# Altium PCB Computer_Board.PcbDoc (part 3 of 5) (continued)
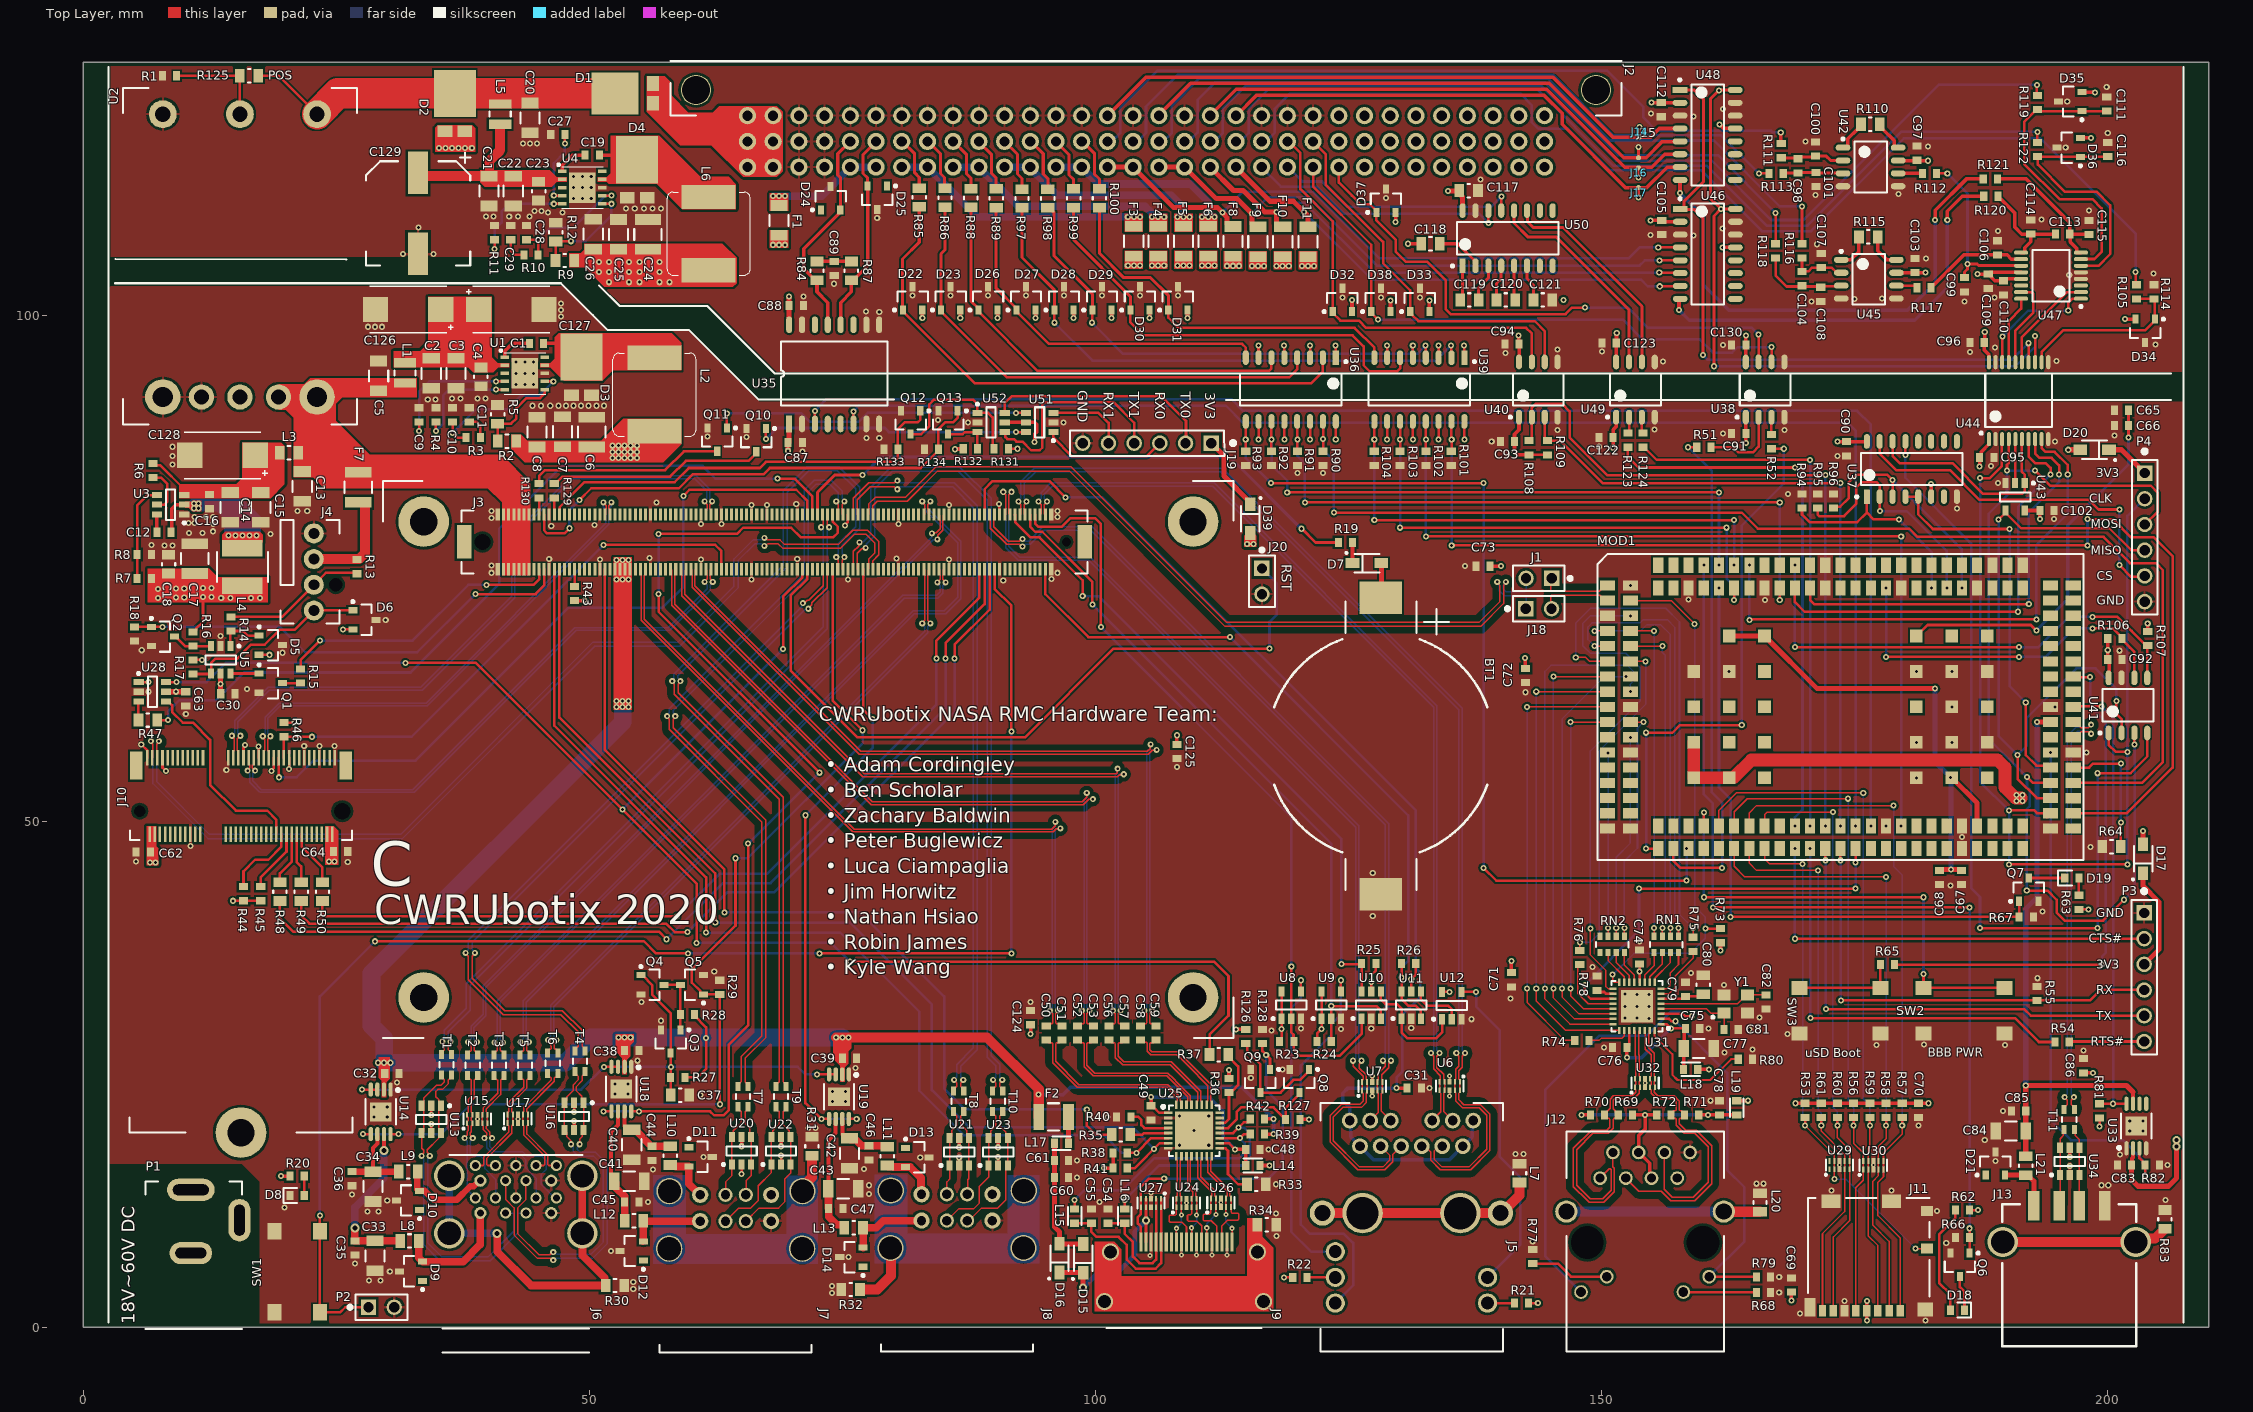
[diagram p0: Top Layer view]
## Nets (pads, with @x,y where several pads share a name; then routed paths per layer and width w, separated by ;. In a path a pad name is that pad's centre, name@x,y a point inside that pad or via, vN(x,y) a via of type N, cw(c..) or ccw(c..) an arc to the next point about the centre after c; other vN are vias at no path point) (continued)
  Top Layer w0.14: U25.15@111,16.9 111,16.61 111.11,16.5 111.11,15.34 111.651,14.799 113.01,13.44 113.01,13.029 112.9,12.919 U26.7@112.9,12.736
  Top Layer w0.15: v4(112.9,11.15) U26.4@112.9,11.9 U26.7@112.9,12.736 ; J9.1@113.5,8.45 v4(113.5,9.8)
  Bottom Layer w0.15: v4(112.9,11.15) 112.9,10.4 v4(113.5,9.8)
HDMI_DAT2_N: C59.2 U25.25 | length 10.9
  Top Layer w0.14: C59.2@106,28.4 105.721,28.121 105.462,28.121 105.38,28.039 105.38,27.42 105.57,27.23 108.166,27.23 108.906,26.49 109.448,25.948 111.39,24.006 111.39,22.4 111.5,22.29 U25.25@111.5,22
HDMI_DAT2_P: C58.2 U25.26 | length 10.9
  Top Layer w0.14: C58.2@104.45,28.4 104.699,28.151 105.018,28.151 105.1,28.069 105.1,27.304 105.454,26.95 108.05,26.95 108.626,26.374 109.151,25.849 111.11,23.89 111.11,22.4 111,22.29 U25.26@111,22
HDMI_HPD_EXT: J9.19 Q9.1 R128.1 U27.5 U27.6 | length 35
  Top Layer w0.25: J9.19@104.5,8.45 104.5,9.95 104.2,10.25 104.2,10.9 104.5,11.2 U27.6@104.5,11.882 U27.5@104.5,12.718 104.5,13.9 105.3,14.7 v1(106.8,14.7) ; R128.1@116.5,28.05 116.5,27.3 v1(116.875,26.925) 117.25,26.55 Q9.1@117.25,25.5
  Bottom Layer w0.25: v1(106.8,14.7) 117.1,14.7 118.5,16.1 118.5,21.85 116.875,23.475 v1(116.875,26.925)
HDMI_HPD_INT: R35.1 U25.5 | length 3.8
  Top Layer w0.25: R35.1@103.45,19.05 104.65,19.05 104.8,19.2 U25.5@107.2,19.2
HDMI_HPD_PROT: Q8.3 R127.2 U25.21 | length 11.5
  Top Layer w0.25: U25.21@112.3,19.7 113.1,19.7 113.95,20.55 113.95,21.3 114.4,21.75 117.6,21.75 R127.2@118.8,20.55 118.8,21.7 120.15,23.05 Q8.3@120.15,23.2
HDMI_SCL_EXT: L15.2 R39.1 U25.19 | length 24.4
  Top Layer w0.25: L15.2@97.95,11.7 v1(97.95,12.6) ; U25.19@112.3,18.7 v1(114.3,18.7) 114.7,19.1 R39.1@115.3,19.1
  Bottom Layer w0.25: v1(97.95,12.6) 98.925,13.575 102.675,13.575 105.8,16.7 114.2,16.7 114.75,17.25 114.75,18.195 114.3,18.645 v1(114.3,18.7)
HDMI_SCL_FILT: C55.1 J9.15 L15.1 U27.1 U27.10 | length 18.4
  Top Layer w0.25: L15.1@97.95,10.3 C55.1@99.6,10.3 99.6,9.45 100.1,8.95 102.3,8.95 103.1,8.15 103.1,6.7 104,5.8 105.95,5.8 106.5,6.35 J9.15@106.5,8.45 U27.10@106.5,11.882 U27.1@106.5,12.718
HDMI_SDA_EXT: L16.2 R42.1 U25.20 | length 22.4
  Top Layer w0.25: L16.2@102.9,11.7 v1(102.9,12.6) ; U25.20@112.3,19.2 113.6,19.2 v1(114.137,19.737) 114.675,20.275 115.075,20.275 115.3,20.5 R42.1@115.3,20.6
  Bottom Layer w0.25: v1(102.9,12.6) 106.3,16 114.5,16 115.25,16.75 115.25,19.15 114.663,19.737 v1(114.137,19.737)
HDMI_SDA_FILT: C54.1 J9.16 L16.1 U27.2 U27.9 | length 14
  Top Layer w0.25: C54.1@101.25,10.3 L16.1@102.9,10.3 102.9,9.25 103.7,8.45 103.7,7 104.35,6.35 105.65,6.35 106,6.7 J9.16@106,8.45 U27.9@106,11.882 U27.2@106,12.718
HDMIX_CTRLCLK: J3.B98 R41.2 U25.7 | length 103.9
  Top Layer w0.25: J3.B98@47.05,74.9 47.05,60.25 62.45,44.85 v1(62.45,40) ; R41.2@103.15,15.75 103.9,15.75 106.35,18.2 U25.7@107.2,18.2
  Bottom Layer w0.25: v1(62.45,40) 75.75,40 83.85,31.9 83.85,23.45 87.5,19.8 103.65,19.8 v1(105.8,17.65)
HDMIX_CTRLDATA: J3.B99 R38.2 U25.6 | length 102.8
  Top Layer w0.25: J3.B99@46.55,74.9 46.55,59.45 61.55,44.45 v1(61.55,39) ; R38.2@103.15,17.25 v1(104.05,17.25) 105.5,18.7 U25.6@107.2,18.7
  Bottom Layer w0.25: v1(61.55,39) 74.8,39 82.6,31.2 82.6,23.4 87,19 100.85,19 102.6,17.25 v1(104.05,17.25)
HDMIX_HPD: J3.B89 R35.2 | length 92.4
  Top Layer w0.25: J3.B89@51.55,74.9 51.55,57.05 63.35,45.25 v1(63.35,41) ; v1(99.15,21.55) 99.15,19.95 100.05,19.05 R35.2@101.6,19.05
  Bottom Layer w0.25: v1(63.35,41) 76.75,41 85.05,32.7 85.05,23.6 87.1,21.55 v1(99.15,21.55)
I2C_SCL_EXT: D33.1 J2.B23 U40.6 | length 38
  Top Layer w0.25: J2.B23@121.51,117.14 122.75,115.9 122.75,112.9 128.425,107.225 128.425,105.125 131.1,102.45 131.1,100.2 131.275,100.025 131.9,99.4 143.4,99.4 144.4,98.4 U40.6@144.4,95.39
  Top Layer w0.3: J2.B23@121.51,117.14 J2.B23@121.51,117.16 ; U40.6@144.385,95.375 U40.6@144.4,95.39
I2C_SDA_EXT: D32.1 J2.B22 U40.7 | length 42.2
  Top Layer w0.25: J2.B22@119.09,117.16 120.25,116 120.25,112.45 123.45,109.25 D32.1@123.45,100.35 ; D32.1@123.45,100.2 124.2,99.45 126.05,99.45 126.75,98.75 142.55,98.75 143.083,98.217 U40.7@143.083,95.407
  Top Layer w0.3: J2.B22@118.97,117.16 J2.B22@119.09,117.16 ; D32.1@123.45,100.2 D32.1@123.45,100.35 ; U40.7@143.083,95.407 U40.7@143.115,95.375
LD_CELL_A_GND: J2.A15 J14.2 U48.4 | length 61
  Top Layer w0.35: J2.A15@101.19,119.7 101.2,119.7 105,123.5 145.2,123.5 151.15,117.55 153.75,117.55 154.8,117.55 155.684,118.434 U48.4@157.75,118.434
LD_CELL_A_PWR: F8.2 J2.C15 J2.C16 U46.4 | length 64.4
  Top Layer w0.25: v2@155.662,106.685 U46.4@157.775,106.685
  Top Layer w0.5: J2.C15@101.21,114.62 J2.C16@103.75,114.62 ; J2.C16@103.73,114.62 107.7,110.65 112.036,110.65 113,109.686 113,109.025 113.275,108.75 F8.2@113.6,108.75
  Bottom Layer w0.25: v2(112.55,110.15) 114.6,112.2 121.45,112.2 128.05,105.6 152.65,105.6 153.75,106.7 v2(155.6,106.7)
LD_CELL_A_REF: J2.B15 R111.2 | length 74.7
  Top Layer w0.3: v2(167.7,118.05) 167.7,117 R111.2@167.75,116.95
  Bottom Layer w0.25: J2.B15@101.62,117.198 101.984,117.561 102.021,117.561 102.45,117.99 102.45,120.45 106.15,124.15 150.551,124.15 154.1,120.601 154.1,119.55 155.45,118.2 166.75,118.2 166.9,118.05 v2(167.7,118.05)
LD_CELL_A_SIG: C99.1 R112.1 U47.11 | length 17.7
  Top Layer w0.254: R112.1@183.1,114 v2(184.15,114) ; C99.1@185.85,103.7 185.85,104.25 186.15,104.55 v2(186.15,105.05) 187.1,105.05 187.25,104.9 191.421,104.9 U47.11@191.446,104.875
  Bottom Layer w0.254: v2(184.15,114) 186.15,112 v2(186.15,105.05)
LD_CELL_A_SNS: J2.B16 R113.2 | length 70.7
  Top Layer w0.25: v1(165.55,114) R113.2@166.55,114
  Bottom Layer w0.25: J2.B16@104.16,117.16 105,118 105,120.6 108.15,123.75 145.2,123.75 151.2,117.75 161.8,117.75 v1(165.55,114)
LD_CELL_B_GND: J2.A17 J15.2 U48.5 | length 56.6
  Top Layer w0.35: J2.A17@106.27,119.7 106.27,119.77 109.4,122.9 144.85,122.9 152.2,115.55 154.4,115.55 155.995,117.145 157.731,117.145 U48.5@157.75,117.164
LD_CELL_B_PWR: F9.2 J2.C17 J2.C18 U46.5 | length 58.5
  Top Layer w0.25: v2(155.712,105.415) U46.5@157.775,105.415
  Top Layer w0.5: J2.C17@106.29,114.62 J2.C18@108.83,114.62 ; J2.C18@108.81,114.62 J2.C18@108.83,114.62 ; F9.2@115.725,108.725 115.45,109 v2(115.45,110.05) 114,111.5 111.95,111.5 J2.C18@108.83,114.62
  Bottom Layer w0.25: v2(115.45,110.05) 117.05,111.65 121.05,111.65 127.8,104.9 153.75,104.9 154.265,105.415 v2(155.712,105.415)
LD_CELL_B_REF: J2.B17 R116.2 | length 76.2
  Top Layer w0.254: R116.2@169.8,107.05 v1(169.8,110.75)
  Top Layer w0.3: R116.2@169.8,107.05 R116.2@169.85,107.1
  Bottom Layer w0.25: J2.B17@106.7,117.16 107.55,118.01 107.55,120.674 110.249,123.373 144.727,123.373 150.85,117.25 161.1,117.25 167.6,110.75 v1(169.8,110.75)
LD_CELL_B_SIG: C106.1 R117.1 U47.10 | length 10.5
  Top Layer w0.35: R117.1@182.55,102.7 182.55,102.8 182.725,102.975 182.825,102.975 185.8,105.95 C106.1@189.096,105.95 190.071,105.95 190.486,105.535 191.436,105.535 U47.10@191.446,105.525
LD_CELL_B_SNS: J2.B18 R118.2 | length 70.7
  Top Layer w0.25: R118.2@167.2,107.05 v1(167.2,110.1)
  Bottom Layer w0.254: J2.B18@109.24,117.16 110.1,118.02 110.1,121.269 111.85,123.019 144.381,123.019 151.6,115.8 161.5,115.8 v1(167.2,110.1)
LIMIT_1: J2.B7 R85.2 | length 5.5
  Top Layer w0.3: J2.B7@80.87,117.16 80.94,117.16 82.15,115.95 82.15,114.05 82.6,113.6 R85.2@82.6,112.55 R85.2@82.5,112.65
LIMIT_2: J2.B8 R86.2 | length 5.5
  Top Layer w0.3: J2.B8@83.41,117.16 83.49,117.16 84.7,115.95 84.7,114 85.095,113.605 R86.2@85.095,112.58 ; R86.2@85.04,112.635 R86.2@85.15,112.525
LIMIT_3: J2.B9 R88.2 | length 5.4
  Top Layer w0.3: J2.B9@85.95,117.16 85.99,117.16 87.25,115.9 87.25,114 87.7,113.55 R88.2@87.7,112.5
LIMIT_4: J2.B10 R89.2 | length 5.4
  Top Layer w0.3: J2.B10@88.49,117.16 88.49,117.11 89.75,115.85 89.75,114 90.2,113.55 R89.2@90.2,112.475
LIMIT_5: J2.B11 R97.2 | length 5.4
  Top Layer w0.3: J2.B11@91.03,117.16 92.3,115.89 92.3,113.95 92.75,113.5 R97.2@92.75,112.45
LIMIT_6: J2.B12 R98.2 | length 5.5
  Top Layer w0.3: J2.B12@93.57,117.16 93.64,117.16 94.85,115.95 94.85,113.95 95.3,113.5 R98.2@95.3,112.45
LIMIT_7: J2.B13 R99.2 | length 5.4
  Top Layer w0.3: J2.B13@96.11,117.16 96.11,117.14 97.4,115.85 97.4,113.85 97.85,113.4 R99.2@97.85,112.475
LIMIT_8: J2.B14 R100.2 | length 5.2
  Top Layer w0.3: J2.B14@98.65,117.16 98.74,117.16 99.9,116 99.9,113.95 100.4,113.45 R100.2@100.4,112.7
LIMIT_SIG_1: MOD1.37 R93.1 U36.9 | length 91
  Top Layer w0.25: R93.1@114.85,86.55 114.855,86.555 U36.9@114.855,89.5 ; v1(117.35,83.4) v1(138.35,83.4) ; v1(138.35,45.4) 139.6,44.15 v1(158.4,44.15)
  Bottom Layer w0.25: v1(114.85,87.7) 114.85,85.9 v1(117.35,83.4) ; v1(138.35,45.4) v1(138.35,83.4) ; v1(158.4,44.15) v1(158.4,47.3)
LIMIT_SIG_2: MOD1.139 R92.1 U36.11 | length 58.9
  Top Layer w0.25: U36.11@117.395,89.5 117.395,86.555 R92.1@117.4,86.55 ; v1(118.95,82.5) v1(161.6,82.5) ; v1(161.6,75.3) MOD1.139@161.6,75.55
  Bottom Layer w0.25: v1(117.4,87.7) 117.4,85.2 118.95,83.65 v1(118.95,82.5) ; v1(161.6,75.3) v1(161.6,82.5)
LIMIT_SIG_3: MOD1.160 R91.1 U36.13 | length 67.2
  Top Layer w0.25: U36.13@119.935,89.5 119.935,86.565 R91.1@119.95,86.55 ; v1(120.7,81.5) v1(167.6,81.5) ; v1(167.6,71.85) MOD1.160@167.6,73.05
  Bottom Layer w0.25: v1(119.95,87.7) 119.95,86.1 120.7,85.35 v1(120.7,81.5) ; v1(167.6,71.85) v1(167.6,81.5)
LIMIT_SIG_4: MOD1.88 R90.1 U36.15 | length 123.6
  Top Layer w0.25: U36.15@122.475,89.5 122.5,89.475 v1(122.5,87.75) R90.1@122.5,86.55 ; v1(123.55,80.5) 163.85,80.5 165.45,78.9 180.4,78.9 181.2,78.1 199.6,78.1 202.2,75.5 204.75,75.5 205.45,74.8 205.45,55.85 203.4,53.8 MOD1.88@196.6,53.8
  Bottom Layer w0.25: v1(122.5,87.75) 122.5,86.7 123.55,85.65 v1(123.55,80.5)
LIMIT_SIG_5: MOD1.86 R101.1 U39.15 | length 121.3
  Top Layer w0.25: R101.1@135.15,86.55 135.2,86.6 v1(135.2,87.7) ; v1@135.175,87.7 U39.15@135.175,89.5 ; v1(135.2,77.25) v1(198,77.25) ; MOD1.86@196.6,50.8 201.9,50.8 206.4,55.3 206.4,76.2 204.55,78.05 202.3,78.05 200.5,79.85 v1(198,79.85)
  Bottom Layer w0.25: v1(135.2,77.25) v1(135.2,87.7) ; v1(198,77.25) v1(198,79.85)
LIMIT_SIG_6: MOD1.76 R102.1 U39.13 | length 88.1
  Top Layer w0.25: U39.13@132.635,89.5 132.635,86.565 R102.1@132.65,86.55 ; v1(132.65,78.15) v1(179.6,78.15)
  Bottom Layer w0.25: v1(132.65,78.15) v1(132.65,87.7) ; v1(179.6,49.55) v1(179.6,78.15)
LIMIT_SIG_7: MOD1.163 R103.1 U39.11 | length 52.6
  Top Layer w0.25: U39.11@130.095,89.5 130.095,86.555 R103.1@130.1,86.55 ; v1(130.1,79) v1(162.35,79) ; v1(163.1,71.85) MOD1.163@163.1,73.05
  Bottom Layer w0.25: v1(130.1,79) v1(130.1,87.7) ; v1(162.35,79) 162.35,74 163.1,73.25 v1(163.1,71.85)
LIMIT_SIG_8: MOD1.138 R104.1 U39.9 | length 50.9
  Top Layer w0.25: v1(127.55,79.75) v1(163.1,79.75) ; R104.1@127.55,86.55 127.555,86.555 U39.9@127.555,89.5
  Bottom Layer w0.25: v1(127.55,79.75) v1(127.55,87.7) ; v1(163.1,75.3) v1(163.1,79.75)
LINK100#: J3.A4 R23.2 U8.2 U10.1 | length 77.3
  Top Layer w0.25: J3.A4@94.05,80.3 94.05,79.4 94.35,79.1 96.7,79.1 97.55,79.95 99.95,79.95 100.55,79.35 v1(100.55,69.2) ; v1(119.35,35.65) 119.35,29.15 119.571,28.929 119.571,28.279 R23.2@119.6,28.25 119.6,27.4 120.15,26.85 124.15,26.85 126.3,29 U10.1@126.3,30.5
  Bottom Layer w0.25: v1(100.55,69.2) 119.35,50.4 v1(119.35,35.65)
LINK1000#: J3.A5 R24.2 U9.2 U10.3 | length 70.7
  Top Layer w0.25: J3.A5@93.55,80.3 93.55,79.1 94.05,78.6 94.75,78.6 99.7,73.65 v1(99.7,71.4) ; R24.2@123.3,28.25 U9.2@123.3,30.5 v1(123.3,31.75) 127.75,31.75 128.2,31.3 U10.3@128.2,30.5
  Bottom Layer w0.25: v1(99.7,71.4) 123.3,47.8 v1(123.3,31.75)
LINK#: J3.A8 R25.2 U10.6 | length 64
  Top Layer w0.25: J3.A8@92.05,80.3 92.075,80.275 92.075,79.575 93.6,78.05 94.5,78.05 98.75,73.8 v1(98.75,72.25) ; v1(124.3,35.9) 126.25,35.9 R25.2@126.3,35.95 U10.6@126.3,33.2
  Bottom Layer w0.25: v1(98.75,72.25) 100.3,72.25 124.3,48.25 v1(124.3,35.9)
MDI0_N: J3.A12 J5.10 U7.5 U7.6 | length 84
  Top Layer w0.127: J3.A12@90.05,80.3 89.964,80.213 89.964,79.099 91.374,77.688 92.489,77.688 92.701,77.9 v1(92.8,77.9) ; U7.6@128.35,24.25 128.35,24.433 128.263,24.519 128.263,24.978 128.963,25.678 128.963,26.039 129.2,26.276 v1(129.2,26.35)
  Top Layer w0.15: U7.6@128.35,24.25 U7.5@128.35,23.414 128.35,23.231 128.255,23.136 128.255,21.706 128.255,21.365 J5.10@129.18,20.44
  Bottom Layer w0.127: v1(92.8,77.9) 92.899,77.9 93.111,77.688 93.428,77.688 94.817,79.077 99.673,79.077 128.977,49.773 128.977,47.085 128.963,47.071 128.963,26.661 129.2,26.424 v1(129.2,26.35)
MDI0_P: J3.A13 J5.11 U7.4 U7.7 | length 84
  Top Layer w0.127: J3.A13@89.55,80.3 89.636,80.213 89.636,79.099 89.637,78.963 91.239,77.361 92.489,77.361 92.701,77.15 v1(92.8,77.15) ; U7.7@127.85,24.25 127.85,24.433 127.936,24.519 127.936,25.114 128.636,25.814 128.636,26.039 128.4,26.276 v1(128.4,26.35)
  Top Layer w0.15: J5.11@127.15,20.44 127.945,21.235 127.945,21.277 127.945,21.577 127.945,23.136 127.85,23.231 U7.4@127.85,23.414 U7.7@127.85,24.25
  Bottom Layer w0.127: v1(92.8,77.15) 92.899,77.15 93.111,77.361 93.563,77.361 94.952,78.75 99.538,78.75 128.65,49.638 128.65,47.22 128.636,47.207 128.636,26.661 128.4,26.424 v1(128.4,26.35)
MDI1_N: J3.A9 J5.5 U7.2 U7.9 | length 96.6
  Top Layer w0.127: J3.A9@91.55,80.3 91.464,80.386 91.464,80.911 91.463,81.261 91.464,82.239 91.7,82.476 v1(91.7,82.55) ; v1(126.3,26.35) 126.3,26.222 126.081,26.003 126.081,25.631 126.763,24.949 126.763,24.519 126.85,24.433 U7.9@126.85,24.25
  Top Layer w0.15: U7.9@126.85,24.25 U7.2@126.85,23.414 126.85,23.231 126.755,23.136 126.755,22.906 126.755,22.222 126.273,21.74 124.44,21.74 123.5,20.8 123.5,18.45 126.05,15.9 128.45,15.9 129.06,16.51 129.06,17.024 128.184,17.9 J5.5@128.17,17.9
  Bottom Layer w0.127: v1(91.7,82.55) 91.7,82.476 91.464,82.239 91.464,77.149 92.512,76.1 99.5,76.1 126.027,49.573 126.027,26.623 v1(126.3,26.35)
MDI1_P: J3.A10 J5.4 U7.1 U7.10 | length 97.6
  Top Layer w0.127: v1(90.9,82.55) 90.9,82.476 91.137,82.239 91.137,81.397 91.136,80.386 J3.A10@91.05,80.3 ; v1(125.45,26.35) 125.45,25.8 126.436,24.814 126.436,24.519 126.35,24.433 U7.10@126.35,24.25
  Top Layer w0.15: U7.10@126.35,24.25 U7.1@126.35,23.414 126.35,23.231 126.445,23.136 126.445,22.778 126.445,22.35 126.145,22.05 124.312,22.05 123.19,20.928 123.19,18.322 125.922,15.59 128.578,15.59 129.37,16.382 129.37,17.084 130.186,17.9 J5.4@130.2,17.9
  Bottom Layer w0.127: v1(90.9,82.55) 90.9,82.476 91.137,82.239 91.137,77.014 92.377,75.773 99.365,75.773 125.7,49.438 125.7,26.6 v1(125.45,26.35)
MDI2_N: J3.A6 J5.2 U6.2 U6.9 | length 110.6
  Top Layer w0.127: J3.A6@93.05,80.3 92.963,80.386 92.963,81.289 93.2,81.526 v1(93.2,81.6) ; U6.2@135.5,24.268 135.5,24.451 135.587,24.537 135.587,25.493 135.912,25.818 135.912,26.789 135.65,27.051 v1(135.65,27.1)
  Top Layer w0.15: J5.2@134.27,17.9 133.94,17.9 133.46,17.42 133.46,16.64 134.2,15.9 136.95,15.9 138.65,17.6 138.65,20.962 137.912,21.7 136.262,21.7 135.595,22.367 135.595,23.154 135.5,23.249 U6.9@135.5,23.432 U6.2@135.5,24.268
  Bottom Layer w0.127: v1(93.2,81.6) 93.2,81.674 92.963,81.911 92.963,83.428 94.085,84.55 112.388,84.55 135.9,61.038 135.9,27.414 135.65,27.164 v1(135.65,27.1)
MDI2_P: J3.A7 J5.3 U6.1 U6.10 | length 112.7
  Top Layer w0.127: v1(92.4,81.6) 92.4,81.526 92.637,81.289 92.637,80.386 J3.A7@92.55,80.3 ; U6.1@136,24.268 136,24.451 135.914,24.537 135.914,25.358 136.239,25.683 136.239,26.789 136.5,27.051 v1(136.5,27.1)
  Top Layer w0.15: J5.3@132.24,17.9 132.57,17.9 133.15,17.32 133.15,16.512 134.072,15.59 137.078,15.59 138.96,17.472 138.96,21.09 138.04,22.01 136.39,22.01 135.905,22.495 135.905,23.155 136,23.249 U6.10@136,23.432 U6.1@136,24.268
  Bottom Layer w0.127: v1(92.4,81.6) 92.4,81.674 92.637,81.911 92.637,83.564 93.95,84.877 112.523,84.877 136.227,61.173 136.227,27.373 v1(136.5,27.1)
MDI3_N: J3.A2 J5.9 U6.5 U6.6 | length 91.8
  Top Layer w0.127: J3.A2@95.05,80.3 94.964,80.386 94.964,80.911 94.963,81.289 95.2,81.526 v1(95.2,81.6) ; v1(133.15,27.1) 133.15,27.051 133.411,26.789 133.411,25.538 134.086,24.863 134.087,24.537 134,24.451 U6.5@134,24.268
  Top Layer w0.15: J5.9@133.26,20.44 134.12,21.3 134.12,21.769 134.095,21.793 134.095,23.154 134,23.249 U6.6@134,23.432 U6.5@134,24.268
  Bottom Layer w0.127: v1(95.2,81.6) 95.2,81.674 94.963,81.911 94.963,82.313 95.75,83.1 111.588,83.1 133.4,61.288 133.4,27.35 v1(133.15,27.1)
MDI3_P: J3.A3 J5.8 U6.4 U6.7 | length 92.9
  Top Layer w0.127: v1(94.4,81.6) 94.4,81.526 94.636,81.289 94.636,80.386 J3.A3@94.55,80.3 ; v1(134,27.1) 134,27.051 133.739,26.789 133.739,25.674 134.414,24.999 134.414,24.537 134.5,24.451 U6.4@134.5,24.268
  Top Layer w0.15: U6.4@134.5,24.268 U6.7@134.5,23.432 134.5,23.249 134.405,23.155 134.405,21.922 134.43,21.897 134.43,21.3 J5.8@135.29,20.44
  Bottom Layer w0.127: v1(94.4,81.6) 94.4,81.674 94.636,81.911 94.636,82.449 95.615,83.427 111.723,83.427 133.727,61.423 133.727,27.373 v1(134,27.1)
MDIO_CLK: MOD1.20 U31.17 | length 48.7
  Top Layer w0.15: v1(148.9,39.4) 148.9,36.8 150.4,35.3 150.4,33.714 150.638,33.476 U31.17@151.125,33.475
  Bottom Layer w0.15: v1(148.9,39.4) 148.9,56.95 153.8,61.85 153.8,65.2 152.4,66.6 148.9,66.6 148.15,67.35 148.15,69.55 148.9,70.3 v1(152.85,70.3)
MDIO_DATA: MOD1.19 R73.2 U31.16 | length 52.2
  Top Layer w0.15: v1(151.1,34.85) 151.1,34.25 151.25,34.1 U31.16@151.75,34.1 ; MOD1.19@152.85,71.8 156.887,71.8 v1(159.2,69.487)
  Top Layer w0.25: v1(160.25,39.4) R73.2@161.75,39.4
  Bottom Layer w0.15: v1(151.1,34.85) 153.2,36.95 158.75,36.95 160.25,38.45 v1(160.25,39.4) 160.25,40.55 159.2,41.6 v1(159.2,69.487)
MII1_COL: MOD1.12 RN2.3 | length 18.2
  Top Layer w0.15: RN2.3@150.65,38.65 v1(150.65,39.45)
  Bottom Layer w0.15: v1@150.6,56.8 v1(150.65,56.75) v1(150.65,39.45)
MMC0_CD: J11.9 MOD1.42 R53.2 U29.2 U29.9 | length 50.2
  Top Layer w0.15: MOD1.42@166.1,47.3 166.1,46.3 166.6,45.8 v1(169.85,45.8) ; v1(170.1,19.95) 173,17.05 U29.9@173,16.454 U29.2@173,15.618 v1(173,14.65) ; v1(181,7.8) J11.9@182.135,7.8
  Top Layer w0.25: v1(170.1,19.95) R53.2@170.1,20.75
  Bottom Layer w0.15: v1(169.85,45.8) 169.85,21 170.1,20.75 v1(170.1,19.95) ; v1(173,14.65) 174.15,14.65 v1(181,7.8)
MMC0_CLKO: J11.5 MOD1.65 R56.2 U30.1 U30.10 | length 65.5
  Top Layer w0.15: MOD1.65@163.1,49.55 163.1,50.95 164.381,52.231 v1(174.35,52.231) ; v1(174.9,19.95) 174.9,18.2 175.85,17.25 U30.10@175.85,16.45 U30.1@175.85,15.614 175.85,14.55 175.1,13.8 J11.5@175.1,1.65
  Top Layer w0.25: v1(174.9,19.95) R56.2@174.9,20.75
  Bottom Layer w0.15: v1(174.35,52.231) 174.35,22.25 174.9,21.7 v1(174.9,19.95)
MMC0_CMD: J11.3 MOD1.64 R59.2 U30.2 U30.9 | length 69.2
  Top Layer w0.15: MOD1.64@161.6,49.55 161.6,51.1 163.3,52.8 v1(175.85,52.8) ; v1(176.5,19.95) 176.5,17.8 176.35,17.65 U30.9@176.35,16.45 U30.2@176.35,15.614 176.35,9.05 177.3,8.1 J11.3@177.3,1.65
  Top Layer w0.25: v1(176.5,19.95) R59.2@176.5,20.75
  Bottom Layer w0.15: v1(175.85,52.8) 175.85,22.6 176.5,21.95 v1(176.5,19.95)
MMC0_DAT0: J11.7 MOD1.67 R60.2 U29.5 U29.6 | length 59.3
  Top Layer w0.15: MOD1.67@166.1,49.55 166.1,50.65 166.35,50.9 v1(172.85,50.9) ; J11.7@172.9,1.65 172.9,8.95 174.5,10.55 U29.5@174.5,15.618 U29.6@174.5,16.454 174.5,17.55 173.3,18.75 v1(173.3,19.95)
  Top Layer w0.25: v1(173.3,19.95) R60.2@173.3,20.75
  Bottom Layer w0.15: v1(172.85,50.9) 172.85,21.75 173.3,21.3 v1(173.3,19.95)
MMC0_DAT1: J11.8 MOD1.41 R61.2 U29.4 U29.7 | length 54.8
  Top Layer w0.15: MOD1.41@164.6,47.3 164.6,45.85 165.3,45.15 v1(171.4,45.15) ; v1(171.7,19.95) 171.7,19.4 174,17.1 U29.7@174,16.454 U29.4@174,15.618 174,11.45 171.825,9.275 J11.8@171.825,1.65
  Top Layer w0.25: v1(171.7,19.95) R61.2@171.7,20.75
  Bottom Layer w0.15: v1(171.4,45.15) 171.4,21.5 171.7,21.2 v1(171.7,19.95)
MMC0_DAT2: J11.1 MOD1.66 R57.2 U30.5 U30.6 | length 68.8
  Top Layer w0.15: MOD1.66@164.6,49.55 164.6,50.85 165.3,51.55 v1(178.85,51.55) ; J11.1@179.5,1.65 179.5,8.85 177.3,11.05 177.3,14.35 177.85,14.9 U30.5@177.85,15.614 U30.6@177.85,16.45 177.85,17.25 179.7,19.1 v1(179.7,19.95)
  Top Layer w0.25: v1(179.7,19.95) R57.2@179.7,20.75
  Bottom Layer w0.15: v1(178.85,51.55) 178.85,45.55 179.7,44.7 v1(179.7,19.95)
MMC0_DAT3: J11.2 MOD1.40 R58.2 U30.4 U30.7 | length 62
  Top Layer w0.15: MOD1.40@163.1,47.3 163.1,45.55 164.15,44.5 v1(178.1,44.5) ; v1(178.1,19.95) 178.1,18.65 177.35,17.9 U30.7@177.35,16.45 U30.4@177.35,15.614 177.35,15 176.8,14.45 176.8,10.1 178.4,8.5 J11.2@178.4,1.65
  Top Layer w0.25: v1(178.1,19.95) R58.2@178.1,20.75
  Bottom Layer w0.15: v1(178.1,19.95) v1(178.1,44.5)
NetBT1_1: BT1.1 D7.2 | length 3.4
  Top Layer w0.5: BT1.1@128.25,72.1 D7.2@128.25,75.5
NetC1_1: C1.1 U1.1 | length 3.4
  Top Layer w0.35: U1.1@41.65,95.85 41.65,96.45 42.4,97.2 C1.1@44.1,97.2
NetC1_2: C1.2 D3.3 L2.1 U1.9 | length 1.5
  Top Layer w0.35: C1.2@45.5,97.2 47,97.2
NetC2_1: C2.1 C3.1 C4.1 C126.1 C127.1 L1.2 U1.2
NetC9_1: C9.1 U1.4 | length 13.7
  Top Layer w0.25: v1(33.2,88.55) C9.1@33.2,89.45 ; v1(40.8,93.45) U1.4@41.65,93.45
  Bottom Layer w0.25: v1(33.2,88.55) 33.2,92.45 34.2,93.45 v1(40.8,93.45)
NetC10_1: C10.1 R3.1 U1.7 | length 15.5
  Top Layer w0.25: C10.1@36.5,89.45 v1(36.5,88.375) 36.5,88.35 36.95,87.9 R3.1@37.85,87.9 ; U1.7@45.6,93.45 v1(46.45,93.45)
  Bottom Layer w0.25: v1(36.5,88.375) 38.825,90.7 41.9,90.7 43.25,92.05 45.05,92.05 v1(46.45,93.45)
NetC11_1: C11.1 R3.2 | length 2.4
  Top Layer w0.25: C11.1@38.15,89.45 38.9,89.45 39.25,89.1 R3.2@39.25,87.9
NetC12_1: C12.1 U3.6 | length 1.8
  Top Layer w0.35: C12.1@7.3,78.55 U3.6@7.3,80.325
NetC12_2: C12.2 L4.1 U3.2 | length 3.7
  Top Layer w0.35: C12.2@8.7,78.55 8.75,78.6 8.75,80.85 9.175,81.275 U3.2@10,81.275
  other v1: 14.35,78.225 15.05,78.225 15.75,78.225 16.45,78.225 17.15,78.225 10.95,80.925 11.4,80.925 10.95,81.375 11.4,81.375
NetC14_1: C14.1 C15.1 C16.1 C128.1 L3.2 R6.2 U3.3 | length 4.7
  Top Layer w0.25: R6.2@6.9,85.35 7.065,85.185 7.615,85.185 9.996,82.804 9.996,82.229 U3.3@10,82.225
NetC19_1: C19.1 U4.1 | length 3.3
  Top Layer w0.35: U4.1@47.35,114.2 47.35,114.8 48.35,115.8 C19.1@49.6,115.8
NetC19_2: C19.2 D4.3 L6.1 U4.9 | length 3.9
  Top Layer w0.35: C19.2@51,115.8 54.285,115.8 D4.3@54.735,115.35
NetC21_1: C21.1 C22.1 C23.1 C129.1 L5.2 U4.2 | length 12.8
  Top Layer w1: C129.1@32.8,114.05 33.125,113.725 C21.1@40.1,113.725 40.1,115.2 41.2,116.3 L5.2@41.2,118.6
NetC27_1: C27.1 U4.4 | length 7.4
  Top Layer w0.25: v1(46.5,111.8) U4.4@47.35,111.8 ; v1(47.6,116.95) C27.1@47.6,117.85
  Bottom Layer w0.25: v1(46.5,111.8) 46.5,115 47.6,116.1 v1(47.6,116.95)
NetC28_1: C28.1 R10.1 U4.7 | length 12.6
  Top Layer w0.25: C28.1@43.8,107.45 v1(44.95,107.45) R10.1@44.95,105.95 ; U4.7@51.3,111.8 v1(52.2,111.8)
  Bottom Layer w0.25: v1(44.95,107.45) 46.15,108.65 48.45,108.65 51.6,111.8 v1(52.2,111.8)
NetC29_1: C29.1 R10.2 | length 2.6
  Top Layer w0.25: C29.1@42.25,107.45 42.25,106.35 42.65,105.95 R10.2@43.55,105.95
NetC33_1: C33.1 C35.2 L8.1 U14.7 | length 16.2
  Top Layer w0.4: v7(29.725,17.475) U14.7@29.725,19.1
  Top Layer w0.75: v7(26.85,9.837) C35.2@26.85,8.55 C33.1@28.85,8.549 ; C33.1@28.85,8.549 L8.1@31.325,8.55
  Bottom Layer w0.75: v7(26.85,9.837) 26.85,11.85 29.725,14.725 v7(29.725,17.475)
NetC34_1: C34.1 C36.2 L9.2 U14.6 | length 8.5
  Top Layer w0.4: C34.1@28.65,15.4 28.65,17.75 29.075,18.175 U14.6@29.075,19.1
  Top Layer w0.65: C36.2@26.55,15.4 C34.1@28.65,15.4 L9.2@31.2,15.4
NetC40_1: C40.1 C44.2 L10.2 U18.7 | length 6.8
  Top Layer w0.4: U18.7@53.5,21.35 53.5,19.9 53.875,19.525 C40.1@54.2,19.525
  Top Layer w0.75: C40.1@54.2,19.525 54.525,19.525 56.125,17.925 56.15,17.9 C44.2@56.2,17.9 L10.2@58,17.9
NetC41_1: C41.1 C45.2 L12.2 U18.6 | length 11.6
  Top Layer w0.4: C41.1@52.475,14.45 52.15,14.775 52.15,19.3 52.85,20 U18.6@52.85,21.35
  Top Layer w0.75: C41.1@52.475,14.45 52.625,14.3 52.625,13.825 53.5,12.95 C45.2@53.5,12.4 L12.2@53.5,10.55
NetC42_1: C42.1 C46.2 L11.2 U19.7 | length 6.5
  Top Layer w0.4: U19.7@75,20.6 75,19.05 75.375,18.675 C42.1@75.7,18.675
  Top Layer w0.75: C42.1@75.7,18.675 75.85,18.525 76.325,18.525 76.9,17.95 79.35,17.95 L11.2@79.45,17.85
NetC43_1: C43.1 C47.2 L13.2 U19.6 | length 12
  Top Layer w0.4: C43.1@73.625,13.7 73.625,18.475 74.35,19.2 U19.6@74.35,20.6
  Top Layer w0.75: C43.1@73.625,13.7 73.638,13.687 73.638,11.763 C47.2@73.65,11.75 ; C47.2@73.675,11.725 73.675,10.925 74.45,10.15 75.1,10.15 75.2,10.05 L13.2@75.2,9.85
NetC48_2: C48.2 C49.2 L14.1 U25.1 U25.18 | length 19.2
  Top Layer w0.25: C49.2@105.5,21.9 105.6,21.9 105.825,21.675 106.29,21.21 107.19,21.21 U25.1@107.2,21.2 ; U25.18@112.3,18.2 113.2,18.2 v1(113.8,17.6)
  Top Layer w0.35: C49.2@105.5,21.9 v1(105.5,22.75) ; v1(113.8,17.6) C48.2@114.85,17.6 L14.1@114.85,16
  Bottom Layer w0.35: v1(105.5,22.75) 111.25,22.75 112.65,21.35 112.65,18.75 v1(113.8,17.6)
NetC60_2: C60.2 C61.2 D15.2 D16.2 L17.1 | length 12.5
  Top Layer w0.5: L17.1@95.95,18.2 C61.2@95.95,16.5 C60.2@95.95,14.8 95.95,9.95 96.45,9.45 D16.2@96.45,8.275 96.462,8.262 98.788,8.262 D15.2@98.8,8.25
NetC78_2: C78.2 J12.4 J12.5 L19.1 R69.1 R70.1 R71.1 R72.1 | length 26.6
  Top Layer w0.35: v1(148,21) R70.1@148.9,21 ; R69.1@153.05,21 v1(154.3,21) ; J12.5@154.935,14.75 154.744,14.941 154.744,16.211 J12.4@153.665,17.29 153.665,18.965 154.3,19.6 v1(154.3,21) ; R72.1@155.45,21 v1(154.3,21) ; R71.1@159.6,21 C78.2@161.65,21 L19.1@163.35,21
  Bottom Layer w0.35: v1(148,21) v1(154.3,21) v1(160.5,21)